# Allegro board 038RT-9068CJK8E-A100_0921.brd (continued)
## Nets (continued)
SG3_SRC_DVDD33: S3_DPS_AVDD33.2 S3_DPS_DVDD33.2 S3_DPS_GPIO_P015.2 S3_DPS_LDOIN.2 UNK3BDG5.2 UNK3BDG8.2 UNK3BDG9.2 UNK3BDG10.2 UNK3C18.1 UNK3C19.1 UNK3C292.1 UNK3CG74.1 UNK3CG75.1 UNK3CG76.1 UNK3CG77.1 UNK3CG78.1 UNK3CG79.1 UNK3CG93.1 UNK3CG94.1 UNK3CG95.1 UNK3CG97.1 UNK3CG111.1 UNK3CG112.1 UNK3CG113.1 UNK3CG115.1 UNK3CG116.1 UNK3CG117.1 UNK3CG118.1 UNK3CG119.1 UNK3CG120.1 UNK3CG121.1 UNK3CG122.1 UNK3CG123.1 UNK3CG124.1 UNK3CG125.1 UNK3CG126.1 UNK3CG135.1 UNK3CG144.1 UNK3CG149.1 UNK3CG154.1 UNK3CG155.1 UNK3CG156.1 UNK3CG158.1 UNK3CG159.1 UNK3CG167.1 UNK3CG180.1 UNK3CG181.1 UNK3CG182.1 UNK3CG183.1 UNK3R45.2 UNK3R46.2 UNK3R60.2 UNK3R61.2 UNK3R63.2 UNK3R64.2 UNK3R66.2 UNK3R67.2 UNK3R68.2 UNK3R70.2 UNK3R71.2 UNK3R263.2 UNK3R342.2 UNK3R344.2 UNK3R350.1 UNK3R351.2 UNK3R554.2 UNK3R563.2 UNK3R564.2 UNK3R565.2 UNK3R566.2 UNK3R586.2 UNK3RG32.2 UNK3RG42.2 UNK3RG64.2 UNK3RG72.2 UNK3RS104.1 UNK3RS114.1
SG3_SWR09_OFFLINE: UNK3CS2.1 UNK3LX1.2 UNK3RB7.1 UNK3RS7.1
SG3_TAPSL0: GOLD3.P2(TAPSL0) UNK3R45.1 UNK3R281.1
SG3_TAPSL1: GOLD3.R2(TAPSL1) UNK3R46.1 UNK3R282.1
SG3_TCT: UNK3C324.1 UNK3T13.10 UNK3T13.15
SG3_U1_FE_MDI+: GOLD3.B8(FE_MDIPA) UNK3T13.11
SG3_U1_FE_MDI-: GOLD3.B7(FE_MDINA) UNK3T13.9
SG3_U1_FE_MDIX+: GOLD3.A7(FE_MDIPB) UNK3T13.16
SG3_U1_FE_MDIX-: GOLD3.A6(FE_MDINB) UNK3T13.14
SG3_U2_FE_MDI+: UNK3T13.6 UNK3U6.27
SG3_U2_FE_MDI-: UNK3T13.8 UNK3U6.28
SG3_U2_FE_MDIX+: UNK3T13.1 UNK3U6.21
SG3_U2_FE_MDIX-: UNK3T13.3 UNK3U6.22
SG3_U3_FE_MDI+: UNK3CON3.1 UNK3U6.39
SG3_U3_FE_MDI-: UNK3CON3.2 UNK3U6.38
SG3_U3_FE_MDIX+: UNK3CON3.3 UNK3U6.45
SG3_U3_FE_MDIX-: UNK3CON3.6 UNK3U6.44
SG3_U4_GIGA_MDI+: UNK3GPHY2.1 UNK3K145.3
SG3_U4_GIGA_MDI-: UNK3GPHY2.2 UNK3K145.2
SG3_VBAT: GOLD3.G7(VBAT) SG3_VBAT.1(TP) UNK3CG326.1 UNK3CG327.1 UNK3RG1.1
SG3_VDC: S3_PH_VBAT.2 SG3_VDC.1(TP) UNK3C13.1 UNK3R18.1
SG3_VO09: GOLD3.G4(VO09) UNK3R583.1
SG3_VSENSE: GOLD3.F4(VSENSE) UNK3R582.1
SG3_WAKE: GOLD3.K4(WAKE) UNK3R26.1
SG3_WP: GOLD3.K16(SPI_SIO2) UNK3RG77.1
SH0_DPS_5V0: CH131.1 CH1171.1 CH1172.1 CH1173.1 CH1174.1 CH1331.1 CH2171.1 CH2172.1 CH2173.1 CH2174.1 CH2331.1 HOST1.17(SWR_5TO1_IN) HOST1.31(VCON) HOST1.33(LDO_5TO3_IN) HOST2.17(SWR_5TO1_IN) HOST2.31(VCON) HOST2.33(LDO_5TO3_IN) RHPC1.1 SH0_VDD5_ATX.2 SH01_DPS_5V0.1(TP) SH02_DPS_5V0.1(TP)
SH01_C_HSO+: CH168.2 HOST1.68(PCIE_TXOP_0)
SH01_C_HSO-: CH167.2 HOST1.67(PCIE_TXON_0)
SH01_C_P6_HSI+: CS104.1 K213.38(B0+)
SH01_C_P6_HSI-: CS103.1 K213.37(B0-)
SH01_CC1: HOST1.30(CC1) RH130.1
SH01_CC2: HOST1.32(CC2) RH132.1
SH01_D_GPIO_VBUS: HOST1.28(VMON_B_APAD) RH1281.1 RH1282.1
SH01_D_SJTCLK: HOST1.5(UART_RXD/SJTCLK/GPIO4) RH151.2
SH01_D_SJTDI: HOST1.6(UART_TXD/SJTTDI/GPIO5) RH161.2
SH01_D_SJTDO: HOST1.9(GPIO7/SJTDO/LED0) RH191.2
SH01_D_SJTMS: HOST1.8(GPIO6/SJTMS) RH181.2
SH01_DEV_SLP: RH1262.2 RH1263.2
SH01_DIS_DB: HOST1.29(DIS_DB) RH129.1
SH1_DPS_5V0: SH1_VDD5_ATX.2 SH11_DPS_5V0.1(TP) SH12_DPS_5V0.1(TP) UNK1CH131.1 UNK1CH1171.1 UNK1CH1172.1 UNK1CH1173.1 UNK1CH1174.1 UNK1CH1331.1 UNK1CH2171.1 UNK1CH2172.1 UNK1CH2173.1 UNK1CH2174.1 UNK1CH2331.1 UNK1HOST1.17 UNK1HOST1.31 UNK1HOST1.33 UNK1HOST2.17 UNK1HOST2.31 UNK1HOST2.33 UNK1RHPC1.1
SH01_GPIO8: RH1102.1 RH1104.2
SH01_GPIO_VBUS: RH1282.2 RH1283.2
SH01_ISOLATEBPIN: HOST1.12(ISOLATEBPIN) RH112.2
SH01_L_SWR_5TO1_OUT: CH121.1 CH122.1 CH1111.1 CH1112.1 CH1251.1 CH1252.1 CH1351.1 CH1352.1 CH1551.1 CH1552.1 CH1601.1 CH1602.1 CH1631.1 CH1632.1 CH1633.1 CH1634.1 HOST1.2(PCIE_AVDD11[1]) HOST1.11(DVDD11[1]) HOST1.25(DVDD11[2]) HOST1.35(DVDD11[3]) HOST1.55(PCIE_AVDD11[2]) HOST1.60(PCIE_AVDD11[3]) HOST1.63(PCIE_AVDD11[4]) LH11.1 RH116.1 SH01_L_SWR_5TO1_OUT.1(TP)
SH01_LANWAKEB: HOST1.10(GPIO8/HOT_PLUG/I2C_DATA/SPIO2) RH1101.2 RH1102.2 RH1103.2
SH01_LDO_5TO3_OUT: CH111.1 CH112.1 CH141.1 CH142.1 CH152.1 CH1201.1 CH1202.1 CH1341.1 CH1342.1 CH1391.1 CH1392.1 HOST1.1(PCIE_AVCC33) HOST1.4(VDD33[1]) HOST1.20(VDD33[2]) HOST1.34(LDO_5TO3_OUT) HOST1.39(USB_AVCC33) HOST1.52(XTAL_AVCC33) RH13.1 RH113.1 RH114.1 RH171.1 RH1103.1 RH1261.2 RH1271.2 RH1281.2 SH01_LDO_5TO3_OUT.1(TP)
SH01_LED1: RH1272.2 RH1273.2
SH01_P6_CLKREQB: HOST1.13(CLKREQBPIN) K211.2 RH113.2
SH01_P6_HSI+: CS104.2 HOST1.64(PCIE_RXIP_0)
SH01_P6_HSI-: CS103.2 HOST1.65(PCIE_RXIN_0)
SH01_P6_HSO+: CH168.1 K213.35(B1-)
SH01_P6_HSO-: CH167.1 K213.36(B1+)
SH01_P6_ISOLATEB: K220.2 RH112.1 RS104.2
SH01_P6_LANWAKEB: K212.2 RH1101.1
SH01_P6_PCIE_RESETB: HOST1.14(PERSTBPIN) K221.2 RH114.2
SH01_P6_REFCLK_100M+: HOST1.61(PCIE_REFCLKP) K214.38(B0+)
SH01_P6_REFCLK_100M-: HOST1.62(PCIE_REFCLKN) K214.37(B0-)
SH01_RSET: HOST1.51(RSET) RH1511.1
SH01_RST_INPIN: HOST1.3(RST_INPIN) RH13.2
SH01_SJTCLK: RH151.1 RH152.2
SH01_SJTDI: RH161.1 RH162.2
SH01_SJTDO/LED0: RH191.1 RH192.2
SH01_SJTMS: RH181.1 RH182.2
SH01_SPICK: HOST1.19(SPICK) RH119.2 SPIH11.6(SCLK)
SH01_SPICK_DBG: RH119.1 RH1192.2
SH01_SPICS: HOST1.24(SPICS) RH1241.2 RH1242.2 SPIH11.1(CS#)
SH01_SPICS_DBG: RH1241.1 RH1243.2
SH01_SPIO2: HOST1.21(I2C_VLK/SPIO2/GPIO9) RH121.2 SPIH11.3(WP#/SIO2)
SH01_SPIO3: HOST1.22(I2C_DATA/SPIO3/GPIO10) RH122.2 SPIH11.7(HOLD#/SIO3)
SH01_SPISI: HOST1.18(SPISI) RH118.2 SPIH11.5(SI/SIO0)
SH01_SPISI_DBG: RH118.1 RH1182.2
SH01_SPISO: HOST1.23(SPISO) RH123.2 SPIH11.2(SO/SIO1)
SH01_SPISO_DBG: RH123.1 RH1232.2
SH01_SWR_5TO1_OUT: HOST1.16(SWR_5TO1_OUT) LH11.2
SH01_TESTENPIN: HOST1.7(TESTENPIN) RH171.2 RH172.2
SH01_USB_AVDD10: CH1361.1 CH1362.1 CH1363.1 CH1364.1 CH1401.1 CH1402.1 CH1403.1 CH1404.1 CH1501.1 CH1502.1 CH1503.1 CH1504.1 HOST1.36(USB_AVDD11[1]) HOST1.40(USB_AVDD11[2]) HOST1.50(USB_AVDD11[3]) RH116.2 SH01_USB_AVDD10.1(TP)
SH01_XTAL_IN: CH153.2 HOST1.53(XTAL_IN) YH11.3
SH01_XTAL_OUT: CH154.2 HOST1.54(XTAL_OUT) YH11.1
SH02_C_HSO+: CH268.2 HOST2.68(PCIE_TXOP_0)
SH02_C_HSO-: CH267.2 HOST2.67(PCIE_TXON_0)
SH02_C_P7_HSI+: CS114.1 K213.29(B2+)
SH02_C_P7_HSI-: CS113.1 K213.28(B2-)
SH02_CC1: HOST2.30(CC1) RH230.1
SH02_CC2: HOST2.32(CC2) RH232.1
SH02_D_GPIO_VBUS: HOST2.28(VMON_B_APAD) RH2281.1 RH2282.1
SH02_D_SJTCLK: HOST2.5(UART_RXD/SJTCLK/GPIO4) RH251.2
SH02_D_SJTDI: HOST2.6(UART_TXD/SJTTDI/GPIO5) RH261.2
SH02_D_SJTDO: HOST2.9(GPIO7/SJTDO/LED0) RH291.2
SH02_D_SJTMS: HOST2.8(GPIO6/SJTMS) RH281.2
SH02_DEV_SLP: RH2262.2 RH2263.2
SH02_DIS_DB: HOST2.29(DIS_DB) RH229.1
SH2_DPS_5V0: SH2_VDD5_ATX.2 SH21_DPS_5V0.1(TP) SH22_DPS_5V0.1(TP) UNK2CH131.1 UNK2CH1171.1 UNK2CH1172.1 UNK2CH1173.1 UNK2CH1174.1 UNK2CH1331.1 UNK2CH2171.1 UNK2CH2172.1 UNK2CH2173.1 UNK2CH2174.1 UNK2CH2331.1 UNK2HOST1.17 UNK2HOST1.31 UNK2HOST1.33 UNK2HOST2.17 UNK2HOST2.31 UNK2HOST2.33 UNK2RHPC1.1
SH02_GPIO8: RH2102.1 RH2104.2
SH02_GPIO_VBUS: RH2282.2 RH2283.2
SH02_ISOLATEBPIN: HOST2.12(ISOLATEBPIN) RH212.2
SH02_L_SWR_5TO1_OUT: CH221.1 CH222.1 CH2111.1 CH2112.1 CH2251.1 CH2252.1 CH2351.1 CH2352.1 CH2551.1 CH2552.1 CH2601.1 CH2602.1 CH2631.1 CH2632.1 CH2633.1 CH2634.1 HOST2.2(PCIE_AVDD11[1]) HOST2.11(DVDD11[1]) HOST2.25(DVDD11[2]) HOST2.35(DVDD11[3]) HOST2.55(PCIE_AVDD11[2]) HOST2.60(PCIE_AVDD11[3]) HOST2.63(PCIE_AVDD11[4]) LH21.1 RH216.1 SH02_L_SWR_5TO1_OUT.1(TP)
SH02_LANWAKEB: HOST2.10(GPIO8/HOT_PLUG/I2C_DATA/SPIO2) RH2101.2 RH2102.2 RH2103.2
SH02_LDO_5TO3_OUT: CH211.1 CH212.1 CH241.1 CH242.1 CH252.1 CH2201.1 CH2202.1 CH2341.1 CH2342.1 CH2391.1 CH2392.1 HOST2.1(PCIE_AVCC33) HOST2.4(VDD33[1]) HOST2.20(VDD33[2]) HOST2.34(LDO_5TO3_OUT) HOST2.39(USB_AVCC33) HOST2.52(XTAL_AVCC33) RH23.1 RH213.1 RH214.1 RH271.1 RH2103.1 RH2261.2 RH2271.2 RH2281.2 SH02_LDO_5TO3_OUT.1(TP)
SH02_LED1: RH2272.2 RH2273.2
SH02_P7_CLKREQB: HOST2.13(CLKREQBPIN) K211.7 RH213.2
SH02_P7_HSI+: CS114.2 HOST2.64(PCIE_RXIP_0)
SH02_P7_HSI-: CS113.2 HOST2.65(PCIE_RXIN_0)
SH02_P7_HSO+: CH268.1 K213.26(B3-)
SH02_P7_HSO-: CH267.1 K213.27(B3+)
SH02_P7_ISOLATEB: K220.7 RH212.1 RS114.2
SH02_P7_LANWAKEB: K212.7 RH2101.1
SH02_P7_PCIE_RESETB: HOST2.14(PERSTBPIN) K221.7 RH214.2
SH02_P7_REFCLK_100M+: HOST2.61(PCIE_REFCLKP) K214.36(B1+)
SH02_P7_REFCLK_100M-: HOST2.62(PCIE_REFCLKN) K214.35(B1-)
SH02_RSET: HOST2.51(RSET) RH2511.1
SH02_RST_INPIN: HOST2.3(RST_INPIN) RH23.2
SH02_SJTCLK: RH251.1 RH252.2
SH02_SJTDI: RH261.1 RH262.2
SH02_SJTDO/LED0: RH291.1 RH292.2
SH02_SJTMS: RH281.1 RH282.2
SH02_SPICK: HOST2.19(SPICK) RH219.2 SPIH21.6(SCLK)
SH02_SPICK_DBG: RH219.1 RH2192.2
SH02_SPICS: HOST2.24(SPICS) RH2241.2 RH2242.2 SPIH21.1(CS#)
SH02_SPICS_DBG: RH2241.1 RH2243.2
SH02_SPIO2: HOST2.21(I2C_VLK/SPIO2/GPIO9) RH221.2 SPIH21.3(WP#/SIO2)
SH02_SPIO3: HOST2.22(I2C_DATA/SPIO3/GPIO10) RH222.2 SPIH21.7(HOLD#/SIO3)
SH02_SPISI: HOST2.18(SPISI) RH218.2 SPIH21.5(SI/SIO0)
SH02_SPISI_DBG: RH218.1 RH2182.2
SH02_SPISO: HOST2.23(SPISO) RH223.2 SPIH21.2(SO/SIO1)
SH02_SPISO_DBG: RH223.1 RH2232.2
SH02_SWR_5TO1_OUT: HOST2.16(SWR_5TO1_OUT) LH21.2
SH02_TESTENPIN: HOST2.7(TESTENPIN) RH271.2 RH272.2
SH02_USB_AVDD10: CH2361.1 CH2362.1 CH2363.1 CH2364.1 CH2401.1 CH2402.1 CH2403.1 CH2404.1 CH2501.1 CH2502.1 CH2503.1 CH2504.1 HOST2.36(USB_AVDD11[1]) HOST2.40(USB_AVDD11[2]) HOST2.50(USB_AVDD11[3]) RH216.2 SH02_USB_AVDD10.1(TP)
SH02_XTAL_IN: CH253.2 HOST2.53(XTAL_IN) YH21.3
SH02_XTAL_OUT: CH254.2 HOST2.54(XTAL_OUT) YH21.1
SH3_DPS_5V0: SH3_VDD5_ATX.2 SH31_DPS_5V0.1(TP) SH32_DPS_5V0.1(TP) UNK3CH131.1 UNK3CH1171.1 UNK3CH1172.1 UNK3CH1173.1 UNK3CH1174.1 UNK3CH1331.1 UNK3CH2171.1 UNK3CH2172.1 UNK3CH2173.1 UNK3CH2174.1 UNK3CH2331.1 UNK3HOST1.17 UNK3HOST1.31 UNK3HOST1.33 UNK3HOST2.17 UNK3HOST2.31 UNK3HOST2.33 UNK3RHPC1.1
SH11_C_HSO+: UNK1CH168.2 UNK1HOST1.68
SH11_C_HSO-: UNK1CH167.2 UNK1HOST1.67
SH11_C_P6_HSI+: UNK1CS104.1 UNK1K213.38
SH11_C_P6_HSI-: UNK1CS103.1 UNK1K213.37
SH11_CC1: UNK1HOST1.30 UNK1RH130.1
SH11_CC2: UNK1HOST1.32 UNK1RH132.1
SH11_D_GPIO_VBUS: UNK1HOST1.28 UNK1RH1281.1 UNK1RH1282.1
SH11_D_SJTCLK: UNK1HOST1.5 UNK1RH151.2
SH11_D_SJTDI: UNK1HOST1.6 UNK1RH161.2
SH11_D_SJTDO: UNK1HOST1.9 UNK1RH191.2
SH11_D_SJTMS: UNK1HOST1.8 UNK1RH181.2
SH11_DEV_SLP: UNK1RH1262.2 UNK1RH1263.2
SH11_DIS_DB: UNK1HOST1.29 UNK1RH129.1
SH11_GPIO8: UNK1RH1102.1 UNK1RH1104.2
SH11_GPIO_VBUS: UNK1RH1282.2 UNK1RH1283.2
SH11_ISOLATEBPIN: UNK1HOST1.12 UNK1RH112.2
SH11_L_SWR_5TO1_OUT: SH11_L_SWR_5TO1_OUT.1(TP) UNK1CH121.1 UNK1CH122.1 UNK1CH1111.1 UNK1CH1112.1 UNK1CH1251.1 UNK1CH1252.1 UNK1CH1351.1 UNK1CH1352.1 UNK1CH1551.1 UNK1CH1552.1 UNK1CH1601.1 UNK1CH1602.1 UNK1CH1631.1 UNK1CH1632.1 UNK1CH1633.1 UNK1CH1634.1 UNK1HOST1.2 UNK1HOST1.11 UNK1HOST1.25 UNK1HOST1.35 UNK1HOST1.55 UNK1HOST1.60 UNK1HOST1.63 UNK1LH11.1 UNK1RH116.1
SH11_LANWAKEB: UNK1HOST1.10 UNK1RH1101.2 UNK1RH1102.2 UNK1RH1103.2
SH11_LDO_5TO3_OUT: SH11_LDO_5TO3_OUT.1(TP) UNK1CH111.1 UNK1CH112.1 UNK1CH141.1 UNK1CH142.1 UNK1CH152.1 UNK1CH1201.1 UNK1CH1202.1 UNK1CH1341.1 UNK1CH1342.1 UNK1CH1391.1 UNK1CH1392.1 UNK1HOST1.1 UNK1HOST1.4 UNK1HOST1.20 UNK1HOST1.34 UNK1HOST1.39 UNK1HOST1.52 UNK1RH13.1 UNK1RH113.1 UNK1RH114.1 UNK1RH171.1 UNK1RH1103.1 UNK1RH1261.2 UNK1RH1271.2 UNK1RH1281.2
SH11_LED1: UNK1RH1272.2 UNK1RH1273.2
SH11_P6_CLKREQB: UNK1HOST1.13 UNK1K211.2 UNK1RH113.2
SH11_P6_HSI+: UNK1CS104.2 UNK1HOST1.64
SH11_P6_HSI-: UNK1CS103.2 UNK1HOST1.65
SH11_P6_HSO+: UNK1CH168.1 UNK1K213.35
SH11_P6_HSO-: UNK1CH167.1 UNK1K213.36
SH11_P6_ISOLATEB: UNK1K220.2 UNK1RH112.1 UNK1RS104.2
SH11_P6_LANWAKEB: UNK1K212.2 UNK1RH1101.1
SH11_P6_PCIE_RESETB: UNK1HOST1.14 UNK1K221.2 UNK1RH114.2
SH11_P6_REFCLK_100M+: UNK1HOST1.61 UNK1K214.38
SH11_P6_REFCLK_100M-: UNK1HOST1.62 UNK1K214.37
SH11_RSET: UNK1HOST1.51 UNK1RH1511.1
SH11_RST_INPIN: UNK1HOST1.3 UNK1RH13.2
SH11_SJTCLK: UNK1RH151.1 UNK1RH152.2
SH11_SJTDI: UNK1RH161.1 UNK1RH162.2
SH11_SJTDO/LED0: UNK1RH191.1 UNK1RH192.2
SH11_SJTMS: UNK1RH181.1 UNK1RH182.2
SH11_SPICK: UNK1HOST1.19 UNK1RH119.2 UNK1SPIH11.6
SH11_SPICK_DBG: UNK1RH119.1 UNK1RH1192.2
SH11_SPICS: UNK1HOST1.24 UNK1RH1241.2 UNK1RH1242.2 UNK1SPIH11.1
SH11_SPICS_DBG: UNK1RH1241.1 UNK1RH1243.2
SH11_SPIO2: UNK1HOST1.21 UNK1RH121.2 UNK1SPIH11.3
SH11_SPIO3: UNK1HOST1.22 UNK1RH122.2 UNK1SPIH11.7
SH11_SPISI: UNK1HOST1.18 UNK1RH118.2 UNK1SPIH11.5
SH11_SPISI_DBG: UNK1RH118.1 UNK1RH1182.2
SH11_SPISO: UNK1HOST1.23 UNK1RH123.2 UNK1SPIH11.2
SH11_SPISO_DBG: UNK1RH123.1 UNK1RH1232.2
SH11_SWR_5TO1_OUT: UNK1HOST1.16 UNK1LH11.2
SH11_TESTENPIN: UNK1HOST1.7 UNK1RH171.2 UNK1RH172.2
SH11_USB_AVDD10: SH11_USB_AVDD10.1(TP) UNK1CH1361.1 UNK1CH1362.1 UNK1CH1363.1 UNK1CH1364.1 UNK1CH1401.1 UNK1CH1402.1 UNK1CH1403.1 UNK1CH1404.1 UNK1CH1501.1 UNK1CH1502.1 UNK1CH1503.1 UNK1CH1504.1 UNK1HOST1.36 UNK1HOST1.40 UNK1HOST1.50 UNK1RH116.2
SH11_XTAL_IN: UNK1CH153.2 UNK1HOST1.53 UNK1YH11.3
SH11_XTAL_OUT: UNK1CH154.2 UNK1HOST1.54 UNK1YH11.1
SH12_C_HSO+: UNK1CH268.2 UNK1HOST2.68
SH12_C_HSO-: UNK1CH267.2 UNK1HOST2.67
SH12_C_P7_HSI+: UNK1CS114.1 UNK1K213.29
SH12_C_P7_HSI-: UNK1CS113.1 UNK1K213.28
SH12_CC1: UNK1HOST2.30 UNK1RH230.1
SH12_CC2: UNK1HOST2.32 UNK1RH232.1
SH12_D_GPIO_VBUS: UNK1HOST2.28 UNK1RH2281.1 UNK1RH2282.1
SH12_D_SJTCLK: UNK1HOST2.5 UNK1RH251.2
SH12_D_SJTDI: UNK1HOST2.6 UNK1RH261.2
SH12_D_SJTDO: UNK1HOST2.9 UNK1RH291.2
SH12_D_SJTMS: UNK1HOST2.8 UNK1RH281.2
SH12_DEV_SLP: UNK1RH2262.2 UNK1RH2263.2
SH12_DIS_DB: UNK1HOST2.29 UNK1RH229.1
SH12_GPIO8: UNK1RH2102.1 UNK1RH2104.2
SH12_GPIO_VBUS: UNK1RH2282.2 UNK1RH2283.2
SH12_ISOLATEBPIN: UNK1HOST2.12 UNK1RH212.2
SH12_L_SWR_5TO1_OUT: SH12_L_SWR_5TO1_OUT.1(TP) UNK1CH221.1 UNK1CH222.1 UNK1CH2111.1 UNK1CH2112.1 UNK1CH2251.1 UNK1CH2252.1 UNK1CH2351.1 UNK1CH2352.1 UNK1CH2551.1 UNK1CH2552.1 UNK1CH2601.1 UNK1CH2602.1 UNK1CH2631.1 UNK1CH2632.1 UNK1CH2633.1 UNK1CH2634.1 UNK1HOST2.2 UNK1HOST2.11 UNK1HOST2.25 UNK1HOST2.35 UNK1HOST2.55 UNK1HOST2.60 UNK1HOST2.63 UNK1LH21.1 UNK1RH216.1
SH12_LANWAKEB: UNK1HOST2.10 UNK1RH2101.2 UNK1RH2102.2 UNK1RH2103.2
SH12_LDO_5TO3_OUT: SH12_LDO_5TO3_OUT.1(TP) UNK1CH211.1 UNK1CH212.1 UNK1CH241.1 UNK1CH242.1 UNK1CH252.1 UNK1CH2201.1 UNK1CH2202.1 UNK1CH2341.1 UNK1CH2342.1 UNK1CH2391.1 UNK1CH2392.1 UNK1HOST2.1 UNK1HOST2.4 UNK1HOST2.20 UNK1HOST2.34 UNK1HOST2.39 UNK1HOST2.52 UNK1RH23.1 UNK1RH213.1 UNK1RH214.1 UNK1RH271.1 UNK1RH2103.1 UNK1RH2261.2 UNK1RH2271.2 UNK1RH2281.2
SH12_LED1: UNK1RH2272.2 UNK1RH2273.2
SH12_P7_CLKREQB: UNK1HOST2.13 UNK1K211.7 UNK1RH213.2
SH12_P7_HSI+: UNK1CS114.2 UNK1HOST2.64
SH12_P7_HSI-: UNK1CS113.2 UNK1HOST2.65
SH12_P7_HSO+: UNK1CH268.1 UNK1K213.26
SH12_P7_HSO-: UNK1CH267.1 UNK1K213.27
SH12_P7_ISOLATEB: UNK1K220.7 UNK1RH212.1 UNK1RS114.2
SH12_P7_LANWAKEB: UNK1K212.7 UNK1RH2101.1
SH12_P7_PCIE_RESETB: UNK1HOST2.14 UNK1K221.7 UNK1RH214.2
SH12_P7_REFCLK_100M+: UNK1HOST2.61 UNK1K214.36
SH12_P7_REFCLK_100M-: UNK1HOST2.62 UNK1K214.35
SH12_RSET: UNK1HOST2.51 UNK1RH2511.1
SH12_RST_INPIN: UNK1HOST2.3 UNK1RH23.2
SH12_SJTCLK: UNK1RH251.1 UNK1RH252.2
SH12_SJTDI: UNK1RH261.1 UNK1RH262.2
SH12_SJTDO/LED0: UNK1RH291.1 UNK1RH292.2
SH12_SJTMS: UNK1RH281.1 UNK1RH282.2
SH12_SPICK: UNK1HOST2.19 UNK1RH219.2 UNK1SPIH21.6
SH12_SPICK_DBG: UNK1RH219.1 UNK1RH2192.2
SH12_SPICS: UNK1HOST2.24 UNK1RH2241.2 UNK1RH2242.2 UNK1SPIH21.1
SH12_SPICS_DBG: UNK1RH2241.1 UNK1RH2243.2
SH12_SPIO2: UNK1HOST2.21 UNK1RH221.2 UNK1SPIH21.3
SH12_SPIO3: UNK1HOST2.22 UNK1RH222.2 UNK1SPIH21.7
SH12_SPISI: UNK1HOST2.18 UNK1RH218.2 UNK1SPIH21.5
SH12_SPISI_DBG: UNK1RH218.1 UNK1RH2182.2
SH12_SPISO: UNK1HOST2.23 UNK1RH223.2 UNK1SPIH21.2
SH12_SPISO_DBG: UNK1RH223.1 UNK1RH2232.2
SH12_SWR_5TO1_OUT: UNK1HOST2.16 UNK1LH21.2
SH12_TESTENPIN: UNK1HOST2.7 UNK1RH271.2 UNK1RH272.2
SH12_USB_AVDD10: SH12_USB_AVDD10.1(TP) UNK1CH2361.1 UNK1CH2362.1 UNK1CH2363.1 UNK1CH2364.1 UNK1CH2401.1 UNK1CH2402.1 UNK1CH2403.1 UNK1CH2404.1 UNK1CH2501.1 UNK1CH2502.1 UNK1CH2503.1 UNK1CH2504.1 UNK1HOST2.36 UNK1HOST2.40 UNK1HOST2.50 UNK1RH216.2
SH12_XTAL_IN: UNK1CH253.2 UNK1HOST2.53 UNK1YH21.3
SH12_XTAL_OUT: UNK1CH254.2 UNK1HOST2.54 UNK1YH21.1
SH21_C_HSO+: UNK2CH168.2 UNK2HOST1.68
SH21_C_HSO-: UNK2CH167.2 UNK2HOST1.67
SH21_C_P6_HSI+: UNK2CS104.1 UNK2K213.38
SH21_C_P6_HSI-: UNK2CS103.1 UNK2K213.37
SH21_CC1: UNK2HOST1.30 UNK2RH130.1
SH21_CC2: UNK2HOST1.32 UNK2RH132.1
SH21_D_GPIO_VBUS: UNK2HOST1.28 UNK2RH1281.1 UNK2RH1282.1
SH21_D_SJTCLK: UNK2HOST1.5 UNK2RH151.2
SH21_D_SJTDI: UNK2HOST1.6 UNK2RH161.2
SH21_D_SJTDO: UNK2HOST1.9 UNK2RH191.2
SH21_D_SJTMS: UNK2HOST1.8 UNK2RH181.2
SH21_DEV_SLP: UNK2RH1262.2 UNK2RH1263.2
SH21_DIS_DB: UNK2HOST1.29 UNK2RH129.1
SH21_GPIO8: UNK2RH1102.1 UNK2RH1104.2
SH21_GPIO_VBUS: UNK2RH1282.2 UNK2RH1283.2
SH21_ISOLATEBPIN: UNK2HOST1.12 UNK2RH112.2
SH21_L_SWR_5TO1_OUT: SH21_L_SWR_5TO1_OUT.1(TP) UNK2CH121.1 UNK2CH122.1 UNK2CH1111.1 UNK2CH1112.1 UNK2CH1251.1 UNK2CH1252.1 UNK2CH1351.1 UNK2CH1352.1 UNK2CH1551.1 UNK2CH1552.1 UNK2CH1601.1 UNK2CH1602.1 UNK2CH1631.1 UNK2CH1632.1 UNK2CH1633.1 UNK2CH1634.1 UNK2HOST1.2 UNK2HOST1.11 UNK2HOST1.25 UNK2HOST1.35 UNK2HOST1.55 UNK2HOST1.60 UNK2HOST1.63 UNK2LH11.1 UNK2RH116.1
SH21_LANWAKEB: UNK2HOST1.10 UNK2RH1101.2 UNK2RH1102.2 UNK2RH1103.2
SH21_LDO_5TO3_OUT: SH21_LDO_5TO3_OUT.1(TP) UNK2CH111.1 UNK2CH112.1 UNK2CH141.1 UNK2CH142.1 UNK2CH152.1 UNK2CH1201.1 UNK2CH1202.1 UNK2CH1341.1 UNK2CH1342.1 UNK2CH1391.1 UNK2CH1392.1 UNK2HOST1.1 UNK2HOST1.4 UNK2HOST1.20 UNK2HOST1.34 UNK2HOST1.39 UNK2HOST1.52 UNK2RH13.1 UNK2RH113.1 UNK2RH114.1 UNK2RH171.1 UNK2RH1103.1 UNK2RH1261.2 UNK2RH1271.2 UNK2RH1281.2
SH21_LED1: UNK2RH1272.2 UNK2RH1273.2
SH21_P6_CLKREQB: UNK2HOST1.13 UNK2K211.2 UNK2RH113.2
SH21_P6_HSI+: UNK2CS104.2 UNK2HOST1.64
SH21_P6_HSI-: UNK2CS103.2 UNK2HOST1.65
SH21_P6_HSO+: UNK2CH168.1 UNK2K213.35
SH21_P6_HSO-: UNK2CH167.1 UNK2K213.36
SH21_P6_ISOLATEB: UNK2K220.2 UNK2RH112.1 UNK2RS104.2
SH21_P6_LANWAKEB: UNK2K212.2 UNK2RH1101.1
SH21_P6_PCIE_RESETB: UNK2HOST1.14 UNK2K221.2 UNK2RH114.2
SH21_P6_REFCLK_100M+: UNK2HOST1.61 UNK2K214.38
SH21_P6_REFCLK_100M-: UNK2HOST1.62 UNK2K214.37
SH21_RSET: UNK2HOST1.51 UNK2RH1511.1
SH21_RST_INPIN: UNK2HOST1.3 UNK2RH13.2
SH21_SJTCLK: UNK2RH151.1 UNK2RH152.2
SH21_SJTDI: UNK2RH161.1 UNK2RH162.2
SH21_SJTDO/LED0: UNK2RH191.1 UNK2RH192.2
SH21_SJTMS: UNK2RH181.1 UNK2RH182.2
SH21_SPICK: UNK2HOST1.19 UNK2RH119.2 UNK2SPIH11.6
SH21_SPICK_DBG: UNK2RH119.1 UNK2RH1192.2
SH21_SPICS: UNK2HOST1.24 UNK2RH1241.2 UNK2RH1242.2 UNK2SPIH11.1
SH21_SPICS_DBG: UNK2RH1241.1 UNK2RH1243.2
SH21_SPIO2: UNK2HOST1.21 UNK2RH121.2 UNK2SPIH11.3
SH21_SPIO3: UNK2HOST1.22 UNK2RH122.2 UNK2SPIH11.7
SH21_SPISI: UNK2HOST1.18 UNK2RH118.2 UNK2SPIH11.5
SH21_SPISI_DBG: UNK2RH118.1 UNK2RH1182.2
SH21_SPISO: UNK2HOST1.23 UNK2RH123.2 UNK2SPIH11.2
SH21_SPISO_DBG: UNK2RH123.1 UNK2RH1232.2
SH21_SWR_5TO1_OUT: UNK2HOST1.16 UNK2LH11.2
SH21_TESTENPIN: UNK2HOST1.7 UNK2RH171.2 UNK2RH172.2
SH21_USB_AVDD10: SH21_USB_AVDD10.1(TP) UNK2CH1361.1 UNK2CH1362.1 UNK2CH1363.1 UNK2CH1364.1 UNK2CH1401.1 UNK2CH1402.1 UNK2CH1403.1 UNK2CH1404.1 UNK2CH1501.1 UNK2CH1502.1 UNK2CH1503.1 UNK2CH1504.1 UNK2HOST1.36 UNK2HOST1.40 UNK2HOST1.50 UNK2RH116.2
SH21_XTAL_IN: UNK2CH153.2 UNK2HOST1.53 UNK2YH11.3
SH21_XTAL_OUT: UNK2CH154.2 UNK2HOST1.54 UNK2YH11.1
SH22_C_HSO+: UNK2CH268.2 UNK2HOST2.68
SH22_C_HSO-: UNK2CH267.2 UNK2HOST2.67
SH22_C_P7_HSI+: UNK2CS114.1 UNK2K213.29
SH22_C_P7_HSI-: UNK2CS113.1 UNK2K213.28
SH22_CC1: UNK2HOST2.30 UNK2RH230.1
SH22_CC2: UNK2HOST2.32 UNK2RH232.1
SH22_D_GPIO_VBUS: UNK2HOST2.28 UNK2RH2281.1 UNK2RH2282.1
SH22_D_SJTCLK: UNK2HOST2.5 UNK2RH251.2
SH22_D_SJTDI: UNK2HOST2.6 UNK2RH261.2
SH22_D_SJTDO: UNK2HOST2.9 UNK2RH291.2
SH22_D_SJTMS: UNK2HOST2.8 UNK2RH281.2
SH22_DEV_SLP: UNK2RH2262.2 UNK2RH2263.2
SH22_DIS_DB: UNK2HOST2.29 UNK2RH229.1
SH22_GPIO8: UNK2RH2102.1 UNK2RH2104.2
SH22_GPIO_VBUS: UNK2RH2282.2 UNK2RH2283.2
SH22_ISOLATEBPIN: UNK2HOST2.12 UNK2RH212.2
SH22_L_SWR_5TO1_OUT: SH22_L_SWR_5TO1_OUT.1(TP) UNK2CH221.1 UNK2CH222.1 UNK2CH2111.1 UNK2CH2112.1 UNK2CH2251.1 UNK2CH2252.1 UNK2CH2351.1 UNK2CH2352.1 UNK2CH2551.1 UNK2CH2552.1 UNK2CH2601.1 UNK2CH2602.1 UNK2CH2631.1 UNK2CH2632.1 UNK2CH2633.1 UNK2CH2634.1 UNK2HOST2.2 UNK2HOST2.11 UNK2HOST2.25 UNK2HOST2.35 UNK2HOST2.55 UNK2HOST2.60 UNK2HOST2.63 UNK2LH21.1 UNK2RH216.1
SH22_LANWAKEB: UNK2HOST2.10 UNK2RH2101.2 UNK2RH2102.2 UNK2RH2103.2
SH22_LDO_5TO3_OUT: SH22_LDO_5TO3_OUT.1(TP) UNK2CH211.1 UNK2CH212.1 UNK2CH241.1 UNK2CH242.1 UNK2CH252.1 UNK2CH2201.1 UNK2CH2202.1 UNK2CH2341.1 UNK2CH2342.1 UNK2CH2391.1 UNK2CH2392.1 UNK2HOST2.1 UNK2HOST2.4 UNK2HOST2.20 UNK2HOST2.34 UNK2HOST2.39 UNK2HOST2.52 UNK2RH23.1 UNK2RH213.1 UNK2RH214.1 UNK2RH271.1 UNK2RH2103.1 UNK2RH2261.2 UNK2RH2271.2 UNK2RH2281.2
SH22_LED1: UNK2RH2272.2 UNK2RH2273.2
SH22_P7_CLKREQB: UNK2HOST2.13 UNK2K211.7 UNK2RH213.2
SH22_P7_HSI+: UNK2CS114.2 UNK2HOST2.64
SH22_P7_HSI-: UNK2CS113.2 UNK2HOST2.65
SH22_P7_HSO+: UNK2CH268.1 UNK2K213.26
SH22_P7_HSO-: UNK2CH267.1 UNK2K213.27
SH22_P7_ISOLATEB: UNK2K220.7 UNK2RH212.1 UNK2RS114.2
SH22_P7_LANWAKEB: UNK2K212.7 UNK2RH2101.1
SH22_P7_PCIE_RESETB: UNK2HOST2.14 UNK2K221.7 UNK2RH214.2
SH22_P7_REFCLK_100M+: UNK2HOST2.61 UNK2K214.36
SH22_P7_REFCLK_100M-: UNK2HOST2.62 UNK2K214.35
SH22_RSET: UNK2HOST2.51 UNK2RH2511.1
SH22_RST_INPIN: UNK2HOST2.3 UNK2RH23.2
SH22_SJTCLK: UNK2RH251.1 UNK2RH252.2
SH22_SJTDI: UNK2RH261.1 UNK2RH262.2
SH22_SJTDO/LED0: UNK2RH291.1 UNK2RH292.2
SH22_SJTMS: UNK2RH281.1 UNK2RH282.2
SH22_SPICK: UNK2HOST2.19 UNK2RH219.2 UNK2SPIH21.6
SH22_SPICK_DBG: UNK2RH219.1 UNK2RH2192.2
SH22_SPICS: UNK2HOST2.24 UNK2RH2241.2 UNK2RH2242.2 UNK2SPIH21.1
SH22_SPICS_DBG: UNK2RH2241.1 UNK2RH2243.2
SH22_SPIO2: UNK2HOST2.21 UNK2RH221.2 UNK2SPIH21.3
SH22_SPIO3: UNK2HOST2.22 UNK2RH222.2 UNK2SPIH21.7
SH22_SPISI: UNK2HOST2.18 UNK2RH218.2 UNK2SPIH21.5
SH22_SPISI_DBG: UNK2RH218.1 UNK2RH2182.2
SH22_SPISO: UNK2HOST2.23 UNK2RH223.2 UNK2SPIH21.2
SH22_SPISO_DBG: UNK2RH223.1 UNK2RH2232.2
SH22_SWR_5TO1_OUT: UNK2HOST2.16 UNK2LH21.2
SH22_TESTENPIN: UNK2HOST2.7 UNK2RH271.2 UNK2RH272.2
SH22_USB_AVDD10: SH22_USB_AVDD10.1(TP) UNK2CH2361.1 UNK2CH2362.1 UNK2CH2363.1 UNK2CH2364.1 UNK2CH2401.1 UNK2CH2402.1 UNK2CH2403.1 UNK2CH2404.1 UNK2CH2501.1 UNK2CH2502.1 UNK2CH2503.1 UNK2CH2504.1 UNK2HOST2.36 UNK2HOST2.40 UNK2HOST2.50 UNK2RH216.2
SH22_XTAL_IN: UNK2CH253.2 UNK2HOST2.53 UNK2YH21.3
SH22_XTAL_OUT: UNK2CH254.2 UNK2HOST2.54 UNK2YH21.1
SH31_C_HSO+: UNK3CH168.2 UNK3HOST1.68
SH31_C_HSO-: UNK3CH167.2 UNK3HOST1.67
SH31_C_P6_HSI+: UNK3CS104.1 UNK3K213.38
SH31_C_P6_HSI-: UNK3CS103.1 UNK3K213.37
SH31_CC1: UNK3HOST1.30 UNK3RH130.1
SH31_CC2: UNK3HOST1.32 UNK3RH132.1
SH31_D_GPIO_VBUS: UNK3HOST1.28 UNK3RH1281.1 UNK3RH1282.1
SH31_D_SJTCLK: UNK3HOST1.5 UNK3RH151.2
SH31_D_SJTDI: UNK3HOST1.6 UNK3RH161.2
SH31_D_SJTDO: UNK3HOST1.9 UNK3RH191.2
SH31_D_SJTMS: UNK3HOST1.8 UNK3RH181.2
SH31_DEV_SLP: UNK3RH1262.2 UNK3RH1263.2
SH31_DIS_DB: UNK3HOST1.29 UNK3RH129.1
SH31_GPIO8: UNK3RH1102.1 UNK3RH1104.2
SH31_GPIO_VBUS: UNK3RH1282.2 UNK3RH1283.2
SH31_ISOLATEBPIN: UNK3HOST1.12 UNK3RH112.2
SH31_L_SWR_5TO1_OUT: SH31_L_SWR_5TO1_OUT.1(TP) UNK3CH121.1 UNK3CH122.1 UNK3CH1111.1 UNK3CH1112.1 UNK3CH1251.1 UNK3CH1252.1 UNK3CH1351.1 UNK3CH1352.1 UNK3CH1551.1 UNK3CH1552.1 UNK3CH1601.1 UNK3CH1602.1 UNK3CH1631.1 UNK3CH1632.1 UNK3CH1633.1 UNK3CH1634.1 UNK3HOST1.2 UNK3HOST1.11 UNK3HOST1.25 UNK3HOST1.35 UNK3HOST1.55 UNK3HOST1.60 UNK3HOST1.63 UNK3LH11.1 UNK3RH116.1
SH31_LANWAKEB: UNK3HOST1.10 UNK3RH1101.2 UNK3RH1102.2 UNK3RH1103.2
SH31_LDO_5TO3_OUT: SH31_LDO_5TO3_OUT.1(TP) UNK3CH111.1 UNK3CH112.1 UNK3CH141.1 UNK3CH142.1 UNK3CH152.1 UNK3CH1201.1 UNK3CH1202.1 UNK3CH1341.1 UNK3CH1342.1 UNK3CH1391.1 UNK3CH1392.1 UNK3HOST1.1 UNK3HOST1.4 UNK3HOST1.20 UNK3HOST1.34 UNK3HOST1.39 UNK3HOST1.52 UNK3RH13.1 UNK3RH113.1 UNK3RH114.1 UNK3RH171.1 UNK3RH1103.1 UNK3RH1261.2 UNK3RH1271.2 UNK3RH1281.2
SH31_LED1: UNK3RH1272.2 UNK3RH1273.2
SH31_P6_CLKREQB: UNK3HOST1.13 UNK3K211.2 UNK3RH113.2
SH31_P6_HSI+: UNK3CS104.2 UNK3HOST1.64
SH31_P6_HSI-: UNK3CS103.2 UNK3HOST1.65
SH31_P6_HSO+: UNK3CH168.1 UNK3K213.35
SH31_P6_HSO-: UNK3CH167.1 UNK3K213.36
SH31_P6_ISOLATEB: UNK3K220.2 UNK3RH112.1 UNK3RS104.2
SH31_P6_LANWAKEB: UNK3K212.2 UNK3RH1101.1
SH31_P6_PCIE_RESETB: UNK3HOST1.14 UNK3K221.2 UNK3RH114.2
SH31_P6_REFCLK_100M+: UNK3HOST1.61 UNK3K214.38
SH31_P6_REFCLK_100M-: UNK3HOST1.62 UNK3K214.37
SH31_RSET: UNK3HOST1.51 UNK3RH1511.1
SH31_RST_INPIN: UNK3HOST1.3 UNK3RH13.2
SH31_SJTCLK: UNK3RH151.1 UNK3RH152.2
SH31_SJTDI: UNK3RH161.1 UNK3RH162.2
SH31_SJTDO/LED0: UNK3RH191.1 UNK3RH192.2
SH31_SJTMS: UNK3RH181.1 UNK3RH182.2
SH31_SPICK: UNK3HOST1.19 UNK3RH119.2 UNK3SPIH11.6
SH31_SPICK_DBG: UNK3RH119.1 UNK3RH1192.2
SH31_SPICS: UNK3HOST1.24 UNK3RH1241.2 UNK3RH1242.2 UNK3SPIH11.1
SH31_SPICS_DBG: UNK3RH1241.1 UNK3RH1243.2
SH31_SPIO2: UNK3HOST1.21 UNK3RH121.2 UNK3SPIH11.3
SH31_SPIO3: UNK3HOST1.22 UNK3RH122.2 UNK3SPIH11.7
SH31_SPISI: UNK3HOST1.18 UNK3RH118.2 UNK3SPIH11.5
SH31_SPISI_DBG: UNK3RH118.1 UNK3RH1182.2
SH31_SPISO: UNK3HOST1.23 UNK3RH123.2 UNK3SPIH11.2
SH31_SPISO_DBG: UNK3RH123.1 UNK3RH1232.2
SH31_SWR_5TO1_OUT: UNK3HOST1.16 UNK3LH11.2
SH31_TESTENPIN: UNK3HOST1.7 UNK3RH171.2 UNK3RH172.2
SH31_USB_AVDD10: SH31_USB_AVDD10.1(TP) UNK3CH1361.1 UNK3CH1362.1 UNK3CH1363.1 UNK3CH1364.1 UNK3CH1401.1 UNK3CH1402.1 UNK3CH1403.1 UNK3CH1404.1 UNK3CH1501.1 UNK3CH1502.1 UNK3CH1503.1 UNK3CH1504.1 UNK3HOST1.36 UNK3HOST1.40 UNK3HOST1.50 UNK3RH116.2
SH31_XTAL_IN: UNK3CH153.2 UNK3HOST1.53 UNK3YH11.3
SH31_XTAL_OUT: UNK3CH154.2 UNK3HOST1.54 UNK3YH11.1
SH32_C_HSO+: UNK3CH268.2 UNK3HOST2.68
SH32_C_HSO-: UNK3CH267.2 UNK3HOST2.67
SH32_C_P7_HSI+: UNK3CS114.1 UNK3K213.29
SH32_C_P7_HSI-: UNK3CS113.1 UNK3K213.28
SH32_CC1: UNK3HOST2.30 UNK3RH230.1
SH32_CC2: UNK3HOST2.32 UNK3RH232.1
SH32_D_GPIO_VBUS: UNK3HOST2.28 UNK3RH2281.1 UNK3RH2282.1
SH32_D_SJTCLK: UNK3HOST2.5 UNK3RH251.2
SH32_D_SJTDI: UNK3HOST2.6 UNK3RH261.2
SH32_D_SJTDO: UNK3HOST2.9 UNK3RH291.2